# Altium PCB Board.PcbDoc (part 1 of 4) (continued)
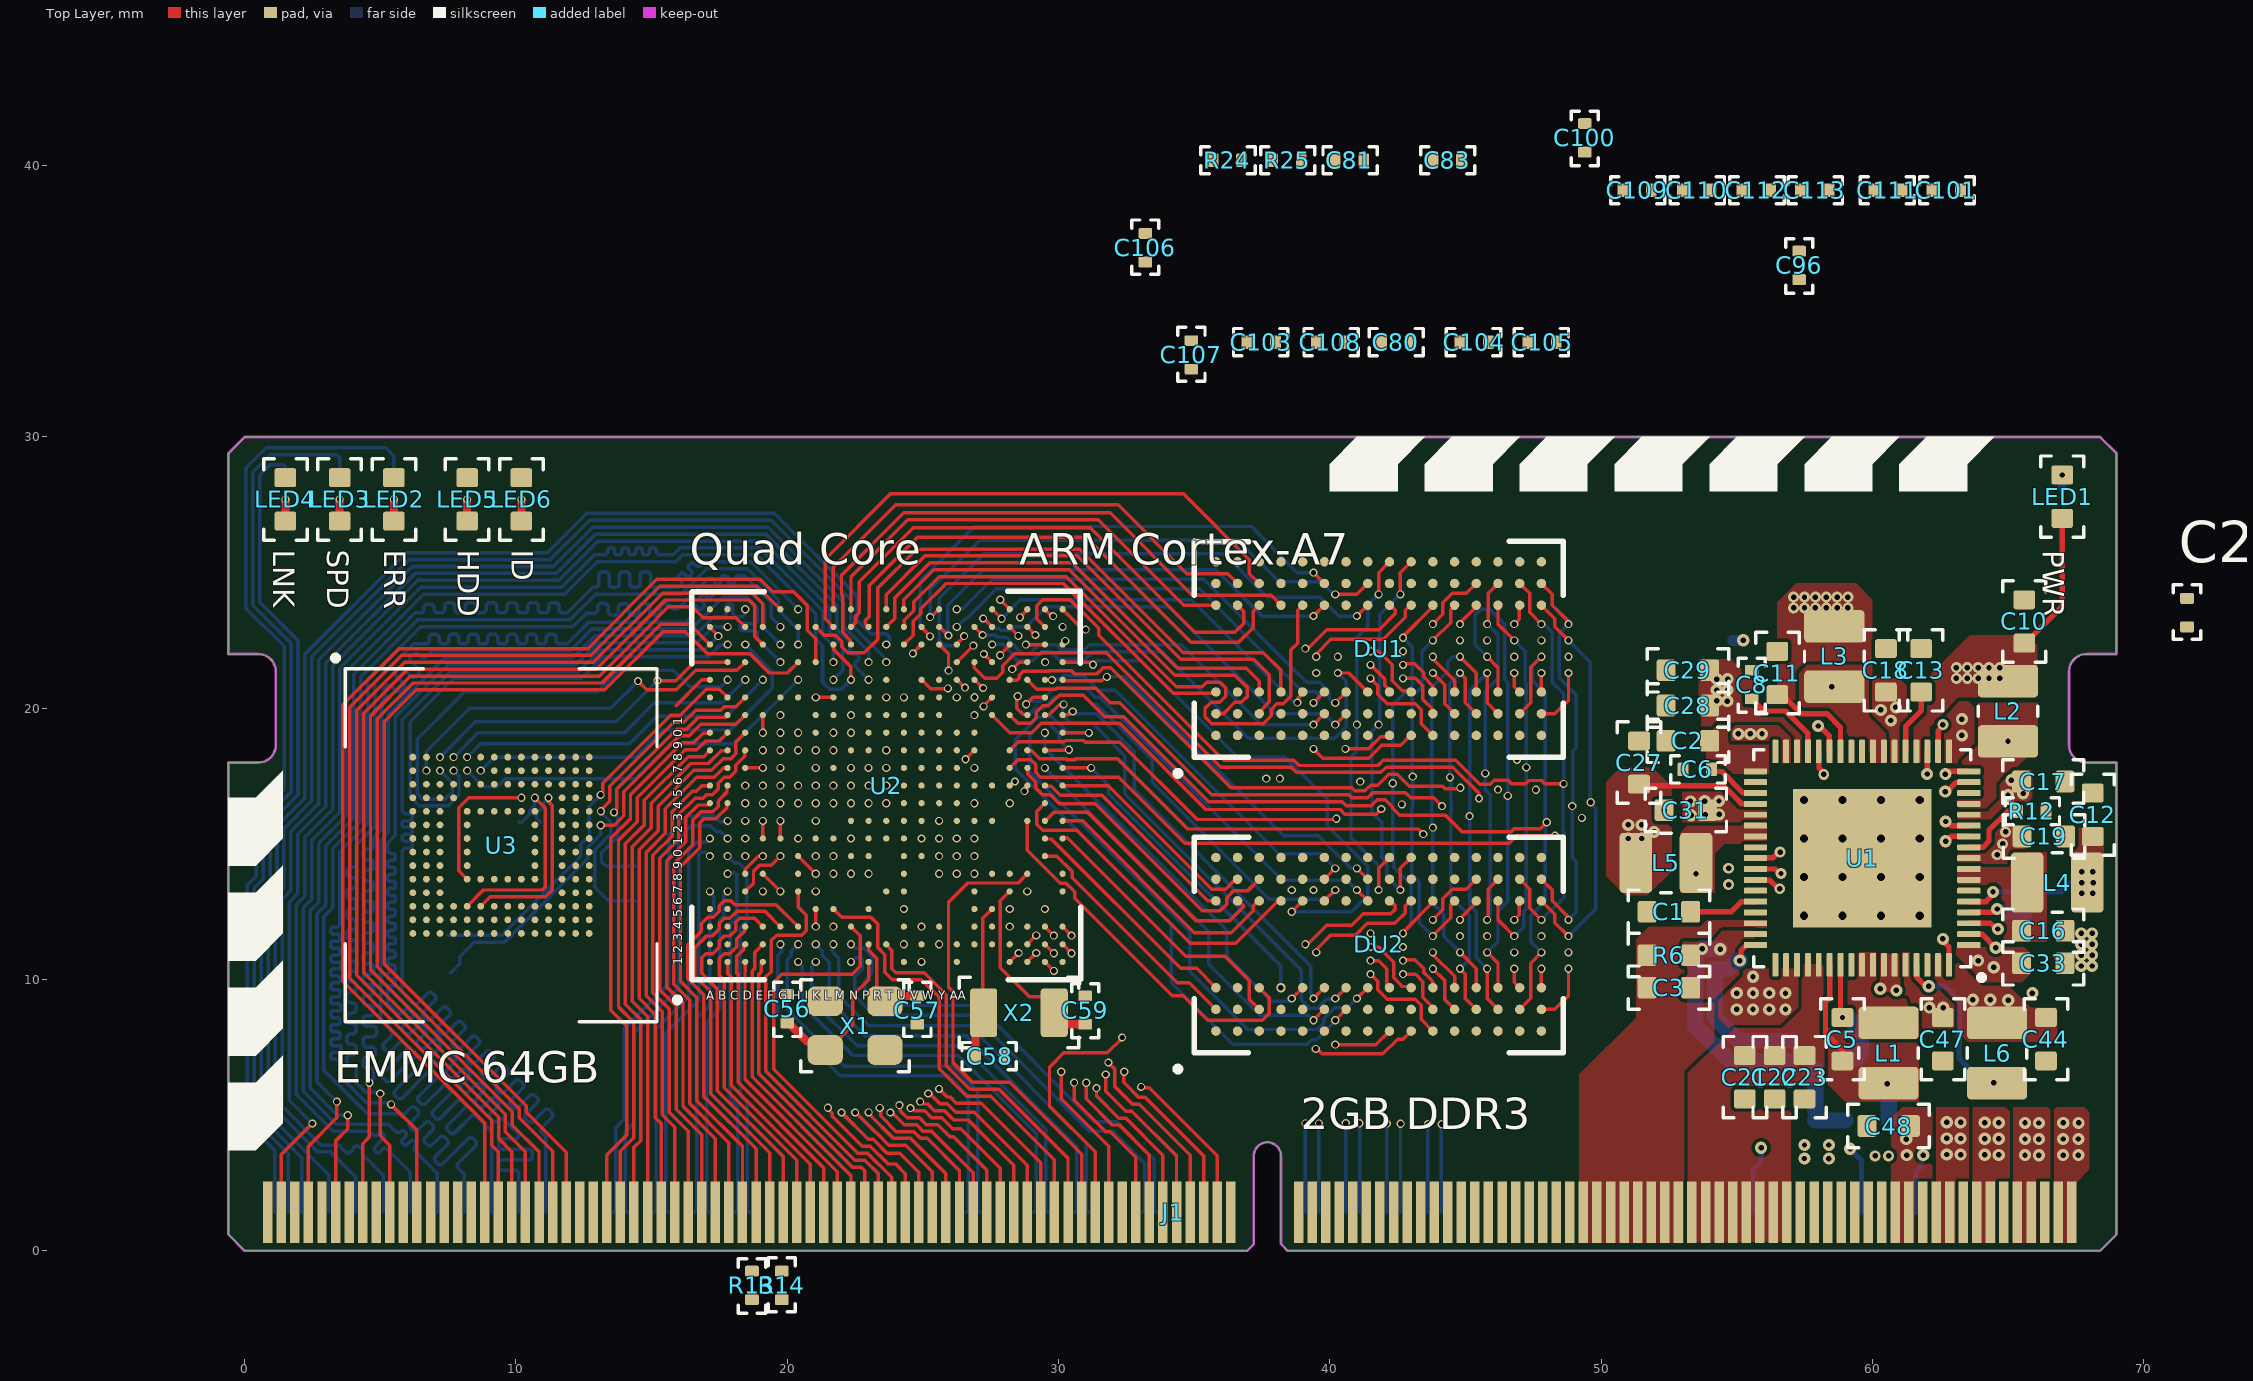
[diagram p0: Top Layer view]
## Classes and differential pairs
net class GPIO: NetJ1_33 NetJ1_35 NetJ1_37 NetJ1_39 NetJ1_41 NetJ1_43 NetJ1_45 NetJ1_51 NetJ1_53 NetJ1_55 NetJ1_57 NetJ1_59 NetJ1_61 NetJ1_63 NetJ1_65 NetJ1_67 NetJ1_69 NetJ1_71 NetJ1_73 NetJ1_75 NetJ1_77 NetJ1_78 NetJ1_79 NetJ1_80 NetJ1_81 NetJ1_83 NetJ1_84 NetJ1_85 NetJ1_86 NetJ1_87 NetJ1_89 NetJ1_90 NetJ1_91 NetJ1_92 NetJ1_93 NetJ1_94 NetJ1_95 NetJ1_96 NetJ1_97 NetJ1_99 NetJ1_100 NetJ1_101 NetJ1_103 NetJ1_105 NetJ1_107 NetJ1_109 NetJ1_111 NetJ1_113 NetJ1_115 NetJ1_117 NetJ1_119 NetJ1_121 NetJ1_123 NetJ1_125 NetJ1_129 NetJ1_131 NetJ1_133 NetJ1_135 NetJ1_137 NetJ1_139 NetJ1_141 NetJ1_146 NetJ1_148 NetJ1_152 NetJ1_154 NetJ1_158 NetJ1_160 NetJ1_164 NetJ1_166
net class DDR3: SA0 SA1 SA2 SA3 SA4 SA5 SA6 SA7 SA8 SA9 SA10 SA11 SA12 SA13 SA14 SA15 SBA0 SBA1 SBA2 SCAS SCK_N SCK_P SCKE0 SCKE1 SCS0 SCS1 SDQ0 SDQ1 SDQ2 SDQ3 SDQ4 SDQ5 SDQ6 SDQ7 SDQ8 SDQ9 SDQ10 SDQ11 SDQ12 SDQ13 SDQ14 SDQ15 SDQ16 SDQ17 SDQ18 SDQ19 SDQ20 SDQ21 SDQ22 SDQ23 SDQ24 SDQ25 SDQ26 SDQ27 SDQ28 SDQ29 SDQ30 SDQ31 SDQM0 SDQM1 SDQM2 SDQM3 SDQS0_N SDQS0_P SDQS1_N SDQS1_P SDQS2_N SDQS2_P SDQS3_N SDQS3_P SODT0 SODT1 SRAS SRST SWE
net class DDR3_DQS3: SDQ24 SDQ25 SDQ26 SDQ27 SDQ28 SDQ29 SDQ30 SDQ31 SDQS3_N SDQS3_P
net class DDR3_DQS2: SDQ16 SDQ17 SDQ18 SDQ19 SDQ20 SDQ21 SDQ22 SDQ23 SDQS2_N SDQS2_P
net class DDR3_DQS1: SDQ8 SDQ9 SDQ10 SDQ11 SDQ12 SDQ13 SDQ14 SDQ15 SDQS1_N SDQS1_P
net class DDR3_DQS0: SDQ0 SDQ1 SDQ2 SDQ3 SDQ4 SDQ5 SDQ6 SDQ7 SDQS0_N SDQS0_P
net class DDR3_DIFF_CK: SCK_N SCK_P
net class DDR3_DIFF_DQS3: SDQS3_N SDQS3_P
net class DDR3_DIFF_DQS2: SDQS2_N SDQS2_P
net class DDR3_DIFF_DQS1: SDQS1_N SDQS1_P
net class DDR3_DIFF_DQS0: SDQS0_N SDQS0_P
net class EMMC_CTL: EMMC_CMD EMMC_RST NetR18_2
net class FLASH: FLASH_CLK FLASH_CS FLASH_MISO FLASH_MOSI
net class EMMC_DATA: EMMC_D0 EMMC_D1 EMMC_D2 EMMC_D3 EMMC_D4 EMMC_D5 EMMC_D6 EMMC_D7
net class RGMII: RGMII_CLKIN RGMII_MDC RGMII_MDIO RGMII_RX0 RGMII_RX1 RGMII_RX2 RGMII_RX3 RGMII_RXCK RGMII_RXCTL RGMII_TXCK RGMII_TXCTL RGMII_TXD0 RGMII_TXD1 RGMII_TXD2 RGMII_TXD3
differential pair class USB3: USB3
differential pair class USB2: USB2
differential pair class USB1: USB1
differential pair class USB0: USB0
differential pair class HDMI_TXC: TXC
differential pair class HDMI_TX2: TX2
differential pair class HDMI_TX1: TX1
differential pair class HDMI_TX0: TX0
net class HDMI: NetJ1_110 NetJ1_126 NetJ1_136 NetJ1_140 TX0_N TX0_P TX1_N TX1_P TX2_N TX2_P TXC_N TXC_P
differential pair class DDR3_CK: SCK
net class DDR3_XXX: SCAS SRAS SRST SWE
net class DDR3_ODT: SODT0 SODT1
net class DDR3_CS: SCS0 SCS1
net class DDR3_CKE: SCKE0 SCKE1
differential pair class DDR3_DIFF_DQS3: SDQS3
differential pair class DDR3_DIFF_DQS2: SDQS2
differential pair class DDR3_DIFF_DQS1: SDQS1
differential pair class DDR3_DIFF_DQS0: SDQS0
net class DDR3_DQM: SDQM0 SDQM1 SDQM2 SDQM3
net class DDR3_BA: SBA0 SBA1 SBA2
net class DDR3_DATA: SDQ0 SDQ1 SDQ2 SDQ3 SDQ4 SDQ5 SDQ6 SDQ7 SDQ8 SDQ9 SDQ10 SDQ11 SDQ12 SDQ13 SDQ14 SDQ15 SDQ16 SDQ17 SDQ18 SDQ19 SDQ20 SDQ21 SDQ22 SDQ23 SDQ24 SDQ25 SDQ26 SDQ27 SDQ28 SDQ29 SDQ30 SDQ31
net class DDR3_ADDR: SA0 SA1 SA2 SA3 SA4 SA5 SA6 SA7 SA8 SA9 SA10 SA11 SA12 SA13 SA14 SA15
component class 06_H3ETHERNET: C114 C115 C116 LED5 LED6 R27 R28
component class 07_H3HDMI: C117 C118
component class 04_H3STORAGE: C71 C72 C73 C74 C75 C76 C77 C78 C79 R16 R17 R18 U3 U4
component class 00_PINOUT: J1
component class 02_H3CORE: C52 C53 C54 C55 C56 C57 C58 C59 C60 C61 C62 C63 C64 C65 C66 C67 C68 C69 C70 R13 R14 R15 X1 X2
component class 01_POWER: C1 C2 C3 C4 C5 C6 C7 C8 C9 C10 C11 C12 C13 C14 C15 C16 C17 C18 C19 C20 C21 C22 C23 C24 C25 C26 C27 C28 C29 C30 C31 C32 C33 C34 C35 C36 C37 C38 C39 C40 C41 C42 C43 C44 C45 C46 C47 C48 C49 C50 C51 L1 L2 L3 L4 L5 L6 LED1 LED2 LED3 LED4 Q1 R1 R2 R3 R4 R5 R6 R7 R8 R9 R10 R11 R12 U1
component class 03_H3DRAM: C80 C81 C82 C83 C84 C85 C86 C87 C88 C89 C90 C91 C92 C93 C94 C95 C96 C97 C98 C99 C100 C101 C102 C103 C104 C105 C106 C107 C108 C109 C110 C111 C112 C113 DC? DR? DU1 DU2 R19 R20 R21 R22 R23 R24 R25 R26 U2
differential pair USB3: +USB3_P -USB3_N
differential pair USB2: +USB2_P -USB2_N
differential pair USB1: +USB1_P -USB1_N
differential pair USB0: +USB0_P -USB0_N
differential pair TXC: +TXC_P -TXC_N
differential pair TX2: +TX2_P -TX2_N
differential pair TX1: +TX1_P -TX1_N
differential pair TX0: +TX0_P -TX0_N
differential pair SDQS3: +SDQS3_P -SDQS3_N
differential pair SDQS2: +SDQS2_P -SDQS2_N
differential pair SDQS1: +SDQS1_P -SDQS1_N
differential pair SDQS0: +SDQS0_P -SDQS0_N
differential pair SCK: +SCK_P -SCK_N

## Components (designator, comment, footprint, x,y, rotation, side; value= is the part's Value field where it differs from the comment)
C1 "1uF" C0603 53.3,12.5 r180 top
C2 "1uF" C0603 54,18.8 r180 top
C3 "1uF" C0603 53.3,9.7 r180 top
C4 "10uF" C0603 56.3,4.8 r0 bottom
C5 "1uF" C0603 58.9,7 r90 top
C6 "4.7uF" C0402 54.074,17.744 r180 top
C7 "10uF" C0603 62.218,6.164 r180 bottom
C8 "4.7uF" C0402 55.55,20.35 r90 top
C9 "10uF" C0603 60.6,7.7 r90 bottom
C10 "10uF" C0603 65.6,22.4 r90 top
C11 "10uF" C0603 56.5,20.5 r90 top
C12 "10uF" C0603 68.125,15.275 r90 top
C13 "10uF" C0603 61.8,22.2 r270 top
C14 "1nF" C0603 65,18.78 r90 bottom
C15 "1nF" C0603 58.6,21 r90 bottom
C16 "1nF" C0603 65.5,11.8 r0 top
C17 "10uF" C0603 65.5,17.3 r0 top
C18 "10uF" C0603 60.5,20.6 r90 top
C19 "10uF" C0603 65.525,15.275 r0 top
C20 "4.7uF" C0603 65.7,12.4 r0 bottom
C21 "22uF" C0603 55.3,5.6 r90 top
C22 "22uF" C0603 56.4,5.6 r90 top
C23 "10uF" C0603 57.5,5.6 r90 top
C24 "10uF" C0603 11.6,37 r270 bottom
C25 "1uF" C0402 15,41.55 r270 bottom
C26 "0.1uF" C0402 71.6,24.05 r270 top
C27 "10uF" C0603 51.4,17.2 r90 top
C28 "10uF" C0603 54,20.1 r180 top
C29 "0.1uF" C0603 52.4,21.4 r0 top
C30 "1nF" C0603 53.3,13.8 r180 bottom
C31 "10uF" C0603 53.923,16.244 r180 top
C32 "10uF" C0603 56.5,19.7 r90 bottom
C33 "10uF" C0603 65.5,10.6 r0 top
C34 "10uF" C0603 25.187,36.502 r180 bottom
C35 "1uF" C0402 21.9,34.7 r0 bottom
C36 "1uF" C0402 21.2,37.95 r270 bottom
C37 "0.1uF" C0402 21,34.65 r90 bottom
C38 "0.1uF" C0402 22.515,37.336 r270 bottom
C39 "10uF" C0603 18.6,35 r90 bottom
C40 "1uF" C0402 18.4,38 r180 bottom
C41 "1uF" C0402 20.7,38.7 r180 bottom
C42 "0.1uF" C0402 18.4,41.05 r270 bottom
C43 "0.1uF" C0402 16.406,35.55 r90 bottom
C44 "10uF" C0603 66.4,8.6 r270 top
C45 "1nF" C0603 64.2,6.4 r90 bottom
C46 "10uF" C0603 66.068,15.934 r270 bottom
C47 "10uF" C0603 62.6,8.6 r270 top
C48 "4.7uF" C0603 59.8,4.6 r0 top
C49 "4.7uF" C0603 67.6,9.5 r180 bottom
C50 "4.7uF" C0603 65.9,6.6 r270 bottom
C51 "4.7uF" C0603 67.3,6.6 r270 bottom
C52 "4.7uF" C0402 16.39,38.776 r270 bottom
C53 "1uF" C0402 14.681,34.271 r0 bottom
C54 "0.1uF" C0402 17.037,32.534 r90 bottom
C55 "4.7uF" C0402 20.1,32.45 r90 bottom
C56 "5pF" C0402 20,8.4 r90 top
C57 "5pF" C0402 24.8,9.4 r270 top
C58 "15pF" C0402 26.941,7.178 r0 top
C59 "15pF" C0402 30.98,8.35 r90 top
C60 "0.1uF" C0402 17.456,36.086 r270 bottom
C61 "1uF" C0402 14.15,36.2 r0 bottom
C62 "0.1uF" C0402 25.767,33.318 r180 bottom
C63 "1uF" C0402 24.6,31.6 r90 bottom
C64 "0.1uF" C0402 23.7,31.6 r90 bottom
C65 "10uF" C0402 23.4,33.8 r180 bottom
C66 "0.1uF" C0402 24.2,34.5 r90 bottom
C67 "1uF" C0402 26.036,34.001 r0 bottom
C68 "4.7uF" C0402 25.319,34.81 r0 bottom
C69 "1uF" C0402 17.6,41.05 r270 bottom
C70 "0.1uF" C0402 7.9,35.35 r270 bottom
C71 "1uF" C0402 12.3,39.5 r180 bottom
C72 "1uF" C0402 -2,16.9 r180 bottom
C73 "1uF" C0402 -2,15.7 r180 bottom
C74 "0.1uF" C0402 -1.85,18.3 r180 bottom
C75 "0.1uF" C0402 -2,14.4 r180 bottom
C76 "0.1uF" C0402 -4.5,13.75 r90 bottom
C77 "0.1uF" C0402 -1.85,12.9 r180 bottom
C78 "1uF" C0402 -4.15,16.3 r180 bottom
C79 "0.1uF" C0402 -4.4,17.45 r90 bottom
C80 "0.1uF" C0402 42.95,33.5 r180 top
C81 "0.1uF" C0402 41.25,40.2 r180 top
C82 "0.1uF" C0402 23.442,42.542 r225 bottom
C83 "0.1uF" C0402 44.85,40.2 r180 top
C84 "10uF" C0402 28.8,32.35 r270 bottom
C85 "1uF" C0402 20.2,43.05 r270 bottom
C86 "1uF" C0402 27.9,31.3 r90 bottom
C87 "0.1uF" C0402 20.6,39.55 r90 bottom
C88 "0.1uF" C0402 29.7,32.35 r270 bottom
C89 "0.1uF" C0402 19.7,39.55 r90 bottom
C90 "0.1uF" C0402 18.4,43.05 r270 bottom
C91 "0.1uF" C0402 19.3,43.05 r270 bottom
C92 "0.1uF" C0402 21.5,39.55 r90 bottom
C93 "0.1uF" C0402 21.6,43.05 r270 bottom
C94 "0.1uF" C0402 23.85,40 r180 bottom
C95 "0.1uF" C0402 23.85,40.8 r180 bottom
C96 "10uF" C0402 57.3,35.8 r90 top
C97 "1uF" C0402 37.1,4.75 r90 bottom
C98 "1uF" C0402 38.3,5.8 r270 bottom
C99 "0.1uF" C0402 58,32.8 r0 bottom
C100 "0.1uF" C0402 49.4,40.5 r90 top
C101 "0.1uF" C0402 63.25,39.1 r180 top
C102 "0.1uF" C0402 47.6,31.85 r90 bottom
C103 "10uF" C0402 36.95,33.5 r0 top
C104 "1uF" C0402 44.8,33.5 r0 top
C105 "1uF" C0402 47.3,33.5 r0 top
C106 "0.1uF" C0402 33.2,37.5 r270 top
C107 "0.1uF" C0402 34.9,33.55 r270 top
C108 "0.1uF" C0402 40.55,33.5 r180 top
C109 "0.1uF" C0402 51.85,39.1 r180 top
C110 "0.1uF" C0402 54.05,39.1 r180 top
C111 "0.1uF" C0402 60.05,39.1 r0 top
C112 "0.1uF" C0402 56.25,39.1 r180 top
C113 "0.1uF" C0402 58.4,39.1 r180 top
C114 "0.1uF" C0402 14.15,39.7 r0 bottom
C115 "0.1uF" C0402 13.45,35.2 r0 bottom
C116 "0.1uF" C0402 14.15,37.1 r0 bottom
C117 "0.1uF" C0402 13.2,41.9 r270 bottom
C118 "1uF" C0402 14.15,38.9 r0 bottom
DU1 "DDR3_FBGA96" DDR3_FBGA96 35.8,19 r90 top locked
DU2 "DDR3_FBGA96" DDR3_FBGA96 35.8,8.1 r90 top locked
J1 "DDR4_SODIMM" DDR4_SODIMM 0.376,0 r0 top locked
L1 "1.5uH" L2520 60.6,6.18 r90 top
L2 "2.2uH" L2520 65,18.78 r90 top
L3 "2.2uH" L2520 58.6,20.8 r90 top
L4 "2.2uH" L2520 65.705,13.575 r0 top
L5 "2.2uH" L2520 53.5,14.3 r180 top
L6 "2.2uH" L2520 64.6,6.18 r90 top
LED1 "LED_RED" LED0603_RED 67,27 r90 top
LED2 "LED_YELLOW" LED0603_YELLOW 5.5,28.5 r270 top
LED3 "LED_GREEN" LED0603_GREEN 3.5,28.5 r270 top
LED4 "LED_RED" LED0603_RED 1.5,28.5 r270 top
LED5 "LED_YELLOW" LED0603_YELLOW 8.2,28.5 r270 top
LED6 "LED_GREEN" LED0603_GREEN 10.2,28.5 r270 top
Q1 "WPM1481" WPM1481 58.8,6.45 r90 bottom
R1 "330R" R0402 67,28.1 r270 bottom
R2 "10K 1%" R0402 53.8,22.5 r0 bottom
R3 "330R" R0402 5.5,27.85 r90 bottom
R4 "330R" R0402 3.5,27.85 r90 bottom
R5 "2.2K" R0402 17.9,32.55 r90 bottom
R6 "0R" R0603 53.3,10.9 r180 top
R7 "2.2K" R0402 20.9,31.4 r0 bottom
R8 "330R" R0402 1.5,27.85 r90 bottom
R9 "51K" R0402 21.45,32.5 r0 bottom
R10 "0R" R0603 60.6,4.8 r180 bottom
R11 "2R 1%" R0402 50.6,16.2 r90 bottom
R12 "0R" R0402 66.4,16.2 r180 top
R13 "47K" R0402 18.7,-1.8 r90 top
R14 "100K 1%" R0402 19.8,-0.75 r270 top
R15 "220K 1%" R0402 25.315,35.575 r0 bottom
R16 "10K 1%" R0402 -2.75,19.7 r0 bottom
R17 "10K 1%" R0402 10.1,15.8 r180 bottom
R18 "33R" R0402 11.95,15.8 r180 bottom
R19 "240R 1%" R0402 55.35,29.1 r180 bottom
R20 "240R 1%" R0402 55.9,32.8 r180 bottom
R21 "240R 1%" R0402 52.4,29.1 r0 bottom
R22 "240R 1%" R0402 52.95,32.8 r0 bottom
R23 "240R 1%" R0402 25.65,37.9 r180 bottom
R24 "2K 1%" R0402 36.75,40.2 r180 top
R25 "2K 1%" R0402 38.95,40.2 r180 top
R26 "100R" R0402 38.432,17.426 r180 bottom
R27 "330R" R0402 8.2,27.85 r90 bottom
R28 "330R" R0402 10.2,27.85 r90 bottom
U1 "AXP221S" AXP221S 59.625,14.475 r180 top
U2 "H3_FBGA347" H3_FBGA327 17.15,10.65 r90 top locked
U3 "EMMC_5_0_BGA153" EMMC_BGA153 9.45,14.95 r0 top locked
U4 "W25Q64JVSSIQ" W25Q64JVSSIQ 14.395,14.165 r180 bottom locked
X1 "24MHz" SMD3225 23.6,9.2 r180 top
X2 "32.768 KHz" FC_135 29.841,8.778 r180 top

## Footprints (in the part's own frame and the unit in brackets; to place one, negate y for a bottom-side part, rotate by r counter-clockwise, add the part's x,y. Pads: shape width x height; smd on the part's side, far side on the other; paste and mask are expansions set on the pad)
AXP221S [mm]
  rrect25% 0.86x0.22 smd: 1(-3.935,3.2) 2(-3.935,2.8) 3(-3.935,2.4) 4(-3.935,2) 5(-3.935,1.6) 6(-3.935,1.2) 7(-3.935,0.8) 8(-3.935,0.4) 9(-3.935,0) 10(-3.935,-0.4) 11(-3.935,-0.8) 12(-3.935,-1.2) 13(-3.935,-1.6) 14(-3.935,-2) 15(-3.935,-2.4) 16(-3.935,-2.8) 17(-3.935,-3.2) 35(3.935,-3.2) 36(3.935,-2.8) 37(3.935,-2.4) 38(3.935,-2) 39(3.935,-1.6) 40(3.935,-1.2) 41(3.935,-0.8) 42(3.935,-0.4) 43(3.935,0) 44(3.935,0.4) 45(3.935,0.8) 46(3.935,1.2) 47(3.935,1.6) 48(3.935,2) 49(3.935,2.4) 50(3.935,2.8) 51(3.935,3.2)
  rrect25% 0.22x0.86 smd: 18(-3.2,-3.935) 19(-2.8,-3.935) 20(-2.4,-3.935) 21(-2,-3.935) 22(-1.6,-3.935) 23(-1.2,-3.935) 24(-0.8,-3.935) 25(-0.4,-3.935) 26(0,-3.935) 27(0.4,-3.935) 28(0.8,-3.935) 29(1.2,-3.935) 30(1.6,-3.935) 31(2,-3.935) 32(2.4,-3.935) 33(2.8,-3.935) 34(3.2,-3.935) 52(3.2,3.935) 53(2.8,3.935) 54(2.4,3.935) 55(2,3.935) 56(1.6,3.935) 57(1.2,3.935) 58(0.8,3.935) 59(0.4,3.935) 60(0,3.935) 61(-0.4,3.935) 62(-0.8,3.935) 63(-1.2,3.935) 64(-1.6,3.935) 65(-2,3.935) 66(-2.4,3.935) 67(-2.8,3.935) 68(-3.2,3.935)
  rect 5.1x5.1 smd paste-4: 69(0,0)
  silkscreen extent -4.5,-4 4,4.5, body extent -4,-4 4,4, height 0.88
C0402 [mm]
  rrect25% 0.4x0.5 smd: 1(0,0) 2(1.05,0)
  silkscreen extent -0.5,-0.5 1.5,0.5, body extent 0.03,-0.26 1.03,0.26, height 0.53
C0603 [mm]
  rrect25% 0.7x0.8 smd: 1(0,0) 2(1.6,0)
  silkscreen extent -0.7,-0.8 2.3,0.8, body extent 0,-0.41 1.6,0.41, height 0.81
DDR3_FBGA96 [mm]
  round 0.35 smd mask+0.05: A1(0,0) A2(0.8,0) A3(1.6,0) A7(4.8,0) A8(5.6,0) A9(6.4,0) B1(0,-0.8) B2(0.8,-0.8) B3(1.6,-0.8) B7(4.8,-0.8) B8(5.6,-0.8) B9(6.4,-0.8) C1(0,-1.6) C2(0.8,-1.6) C3(1.6,-1.6) C7(4.8,-1.6) C8(5.6,-1.6) C9(6.4,-1.6) D1(0,-2.4) D2(0.8,-2.4) D3(1.6,-2.4) D7(4.8,-2.4) D8(5.6,-2.4) D9(6.4,-2.4) E1(0,-3.2) E2(0.8,-3.2) E3(1.6,-3.2) E7(4.8,-3.2) E8(5.6,-3.2) E9(6.4,-3.2) F1(0,-4) F2(0.8,-4) F3(1.6,-4) F7(4.8,-4) F8(5.6,-4) F9(6.4,-4) G1(0,-4.8) G2(0.8,-4.8) G3(1.6,-4.8) G7(4.8,-4.8) G8(5.6,-4.8) G9(6.4,-4.8) H1(0,-5.6) H2(0.8,-5.6) H3(1.6,-5.6) H7(4.8,-5.6) H8(5.6,-5.6) H9(6.4,-5.6) J1(0,-6.4) J2(0.8,-6.4) J3(1.6,-6.4) J7(4.8,-6.4) J8(5.6,-6.4) J9(6.4,-6.4) K1(0,-7.2) K2(0.8,-7.2) K3(1.6,-7.2) K7(4.8,-7.2) K8(5.6,-7.2) K9(6.4,-7.2) L1(0,-8) L2(0.8,-8) L3(1.6,-8) L7(4.8,-8) L8(5.6,-8) L9(6.4,-8) M1(0,-8.8) M2(0.8,-8.8) M3(1.6,-8.8) M7(4.8,-8.8) M8(5.6,-8.8) M9(6.4,-8.8) N1(0,-9.6) N2(0.8,-9.6) N3(1.6,-9.6) N7(4.8,-9.6) N8(5.6,-9.6) N9(6.4,-9.6) P1(0,-10.4) P2(0.8,-10.4) P3(1.6,-10.4) P7(4.8,-10.4) P8(5.6,-10.4) P9(6.4,-10.4) R1(0,-11.2) R2(0.8,-11.2) R3(1.6,-11.2) R7(4.8,-11.2) R8(5.6,-11.2) R9(6.4,-11.2) T1(0,-12) T2(0.8,-12) T3(1.6,-12) T7(4.8,-12) T8(5.6,-12) T9(6.4,-12)
  silkscreen extent -1.5,-12.8 7.15,1.5, body extent -1.3,-13 7.7,1, height 0.86
DDR4_SODIMM [mm]
  rect 0.35x2.25 smd paste-0.75 mask+0.3: 1(0.474,1.422) 3(0.974,1.422) 5(1.474,1.422) 7(1.974,1.422) 9(2.474,1.422) 11(2.974,1.422) 13(3.474,1.422) 15(3.974,1.422) 17(4.474,1.422) 19(4.974,1.422) 21(5.474,1.422) 23(5.974,1.422) 25(6.474,1.422) 27(6.974,1.422) 29(7.474,1.422) 31(7.974,1.422) 33(8.474,1.422) 35(8.974,1.422) 37(9.474,1.422) 39(9.974,1.422) 41(10.474,1.422) 43(10.974,1.422) 45(11.474,1.422) 47(11.974,1.422) 49(12.474,1.422) 51(12.974,1.422) 53(13.474,1.422) 55(13.974,1.422) 57(14.474,1.422) 59(14.974,1.422) 61(15.474,1.422) 63(15.974,1.422) 65(16.474,1.422) 67(16.974,1.422) 69(17.474,1.422) 71(17.974,1.422) 73(18.474,1.422) 75(18.974,1.422) 77(19.474,1.422) 79(19.974,1.422) 81(20.474,1.422) 83(20.974,1.422) 85(21.474,1.422) 87(21.974,1.422) 89(22.474,1.422) 91(22.974,1.422) 93(23.474,1.422) 95(23.974,1.422) 97(24.474,1.422) 99(24.974,1.422) 101(25.474,1.422) 103(25.974,1.422) 105(26.474,1.422) 107(26.974,1.422) 109(27.474,1.422) 111(27.974,1.422) 113(28.474,1.422) 115(28.974,1.422) 117(29.474,1.422) 119(29.974,1.422) 121(30.474,1.422) 123(30.974,1.422) 125(31.474,1.422) 127(31.974,1.422) 129(32.474,1.422) 131(32.974,1.422) 133(33.474,1.422) 135(33.974,1.422) 137(34.474,1.422) 139(34.974,1.422) 141(35.474,1.422) 143(35.974,1.422) 145(38.474,1.422) 147(38.974,1.422) 149(39.474,1.422) 151(39.974,1.422) 153(40.474,1.422) 155(40.974,1.422) 157(41.474,1.422) 159(41.974,1.422) 161(42.474,1.422) 163(42.974,1.422) 165(43.474,1.422) 167(43.974,1.422) 169(44.474,1.422) 171(44.974,1.422) 173(45.474,1.422) 175(45.974,1.422) 177(46.474,1.422) 179(46.974,1.422) 181(47.474,1.422) 183(47.974,1.422) 185(48.474,1.422) 187(48.974,1.422) 189(49.474,1.422) 191(49.974,1.422) 193(50.474,1.422) 195(50.974,1.422) 197(51.474,1.422) 199(51.974,1.422) 201(52.474,1.422) 203(52.974,1.422) 205(53.474,1.422) 207(53.974,1.422) 209(54.474,1.422) 211(54.974,1.422) 213(55.474,1.422) 215(55.974,1.422) 217(56.474,1.422) 219(56.974,1.422) 221(57.474,1.422) 223(57.974,1.422) 225(58.474,1.422) 227(58.974,1.422) 229(59.474,1.422) 231(59.974,1.422) 233(60.474,1.422) 235(60.974,1.422) 237(61.474,1.422) 239(61.974,1.422) 241(62.474,1.422) 243(62.974,1.422) 245(63.474,1.422) 247(63.974,1.422) 249(64.474,1.422) 251(64.974,1.422) 253(65.474,1.422) 255(65.974,1.422) 257(66.474,1.422) 259(66.974,1.422)
  rect 0.35x2.25 smd far side paste-0.75 mask+0.3: 2(0.724,1.422) 4(1.224,1.422) 6(1.724,1.422) 8(2.224,1.422) 10(2.724,1.422) 12(3.224,1.422) 14(3.724,1.422) 16(4.224,1.422) 18(4.724,1.422) 20(5.224,1.422) 22(5.724,1.422) 24(6.224,1.422) 26(6.724,1.422) 28(7.224,1.422) 30(7.724,1.422) 32(8.224,1.422) 34(8.724,1.422) 36(9.224,1.422) 38(9.724,1.422) 40(10.224,1.422) 42(10.724,1.422) 44(11.224,1.422) 46(11.724,1.422) 48(12.224,1.422) 50(12.724,1.422) 52(13.224,1.422) 54(13.724,1.422) 56(14.224,1.422) 58(14.724,1.422) 60(15.224,1.422) 62(15.724,1.422) 64(16.224,1.422) 66(16.724,1.422) 68(17.224,1.422) 70(17.724,1.422) 72(18.224,1.422) 74(18.724,1.422) 76(19.224,1.422) 78(19.724,1.422) 80(20.224,1.422) 82(20.724,1.422) 84(21.224,1.422) 86(21.724,1.422) 88(22.224,1.422) 90(22.724,1.422) 92(23.224,1.422) 94(23.724,1.422) 96(24.224,1.422) 98(24.724,1.422) 100(25.224,1.422) 102(25.724,1.422) 104(26.224,1.422) 106(26.724,1.422) 108(27.224,1.422) 110(27.724,1.422) 112(28.224,1.422) 114(28.724,1.422) 116(29.224,1.422) 118(29.724,1.422) 120(30.224,1.422) 122(30.724,1.422) 124(31.224,1.422) 126(31.724,1.422) 128(32.224,1.422) 130(32.724,1.422) 132(33.224,1.422) 134(33.724,1.422) 136(34.224,1.422) 138(34.724,1.422) 140(35.224,1.422) 142(35.724,1.422) 144(36.224,1.422) 146(38.724,1.422) 148(39.224,1.422) 150(39.724,1.422) 152(40.224,1.422) 154(40.724,1.422) 156(41.224,1.422) 158(41.724,1.422) 160(42.224,1.422) 162(42.724,1.422) 164(43.224,1.422) 166(43.724,1.422) 168(44.224,1.422) 170(44.724,1.422) 172(45.224,1.422) 174(45.724,1.422) 176(46.224,1.422) 178(46.724,1.422) 180(47.224,1.422) 182(47.724,1.422) 184(48.224,1.422) 186(48.724,1.422) 188(49.224,1.422) 190(49.724,1.422) 192(50.224,1.422) 194(50.724,1.422) 196(51.224,1.422) 198(51.724,1.422) 200(52.224,1.422) 202(52.724,1.422) 204(53.224,1.422) 206(53.724,1.422) 208(54.224,1.422) 210(54.724,1.422) 212(55.224,1.422) 214(55.724,1.422) 216(56.224,1.422) 218(56.724,1.422) 220(57.224,1.422) 222(57.724,1.422) 224(58.224,1.422) 226(58.724,1.422) 228(59.224,1.422) 230(59.724,1.422) 232(60.224,1.422) 234(60.724,1.422) 236(61.224,1.422) 238(61.724,1.422) 240(62.224,1.422) 242(62.724,1.422) 244(63.224,1.422) 246(63.724,1.422) 248(64.224,1.422) 250(64.724,1.422) 252(65.224,1.422) 254(65.724,1.422) 256(66.224,1.422) 258(66.724,1.422) 260(67.224,1.422)
EMMC_BGA153 [mm]
  round 0.25 smd mask+0.025: A1(-3.25,3.25) A2(-2.75,3.25) A3(-2.25,3.25) A4(-1.75,3.25) A5(-1.25,3.25) A6(-0.75,3.25) A7(-0.25,3.25) A8(0.25,3.25) A9(0.75,3.25) A10(1.25,3.25) A11(1.75,3.25) A12(2.25,3.25) A13(2.75,3.25) A14(3.25,3.25) B1(-3.25,2.75) B2(-2.75,2.75) B3(-2.25,2.75) B4(-1.75,2.75) B5(-1.25,2.75) B6(-0.75,2.75) B7(-0.25,2.75) B8(0.25,2.75) B9(0.75,2.75) B10(1.25,2.75) B11(1.75,2.75) B12(2.25,2.75) B13(2.75,2.75) B14(3.25,2.75) C1(-3.25,2.25) C2(-2.75,2.25) C3(-2.25,2.25) C4(-1.75,2.25) C5(-1.25,2.25) C6(-0.75,2.25) C7(-0.25,2.25) C8(0.25,2.25) C9(0.75,2.25) C10(1.25,2.25) C11(1.75,2.25) C12(2.25,2.25) C13(2.75,2.25) C14(3.25,2.25) D1(-3.25,1.75) D2(-2.75,1.75) D3(-2.25,1.75) D4(-1.75,1.75) D12(2.25,1.75) D13(2.75,1.75) D14(3.25,1.75) E1(-3.25,1.25) E2(-2.75,1.25) E3(-2.25,1.25) E5(-1.25,1.25) E6(-0.75,1.25) E7(-0.25,1.25) E8(0.25,1.25) E9(0.75,1.25) E10(1.25,1.25) E12(2.25,1.25) E13(2.75,1.25) E14(3.25,1.25) F1(-3.25,0.75) F2(-2.75,0.75) F3(-2.25,0.75) F5(-1.25,0.75) F10(1.25,0.75) F12(2.25,0.75) F13(2.75,0.75) F14(3.25,0.75) G1(-3.25,0.25) G2(-2.75,0.25) G3(-2.25,0.25) G5(-1.25,0.25) G10(1.25,0.25) G12(2.25,0.25) G13(2.75,0.25) G14(3.25,0.25) H1(-3.25,-0.25) H2(-2.75,-0.25) H3(-2.25,-0.25) H5(-1.25,-0.25) H10(1.25,-0.25) H12(2.25,-0.25) H13(2.75,-0.25) H14(3.25,-0.25) J1(-3.25,-0.75) J2(-2.75,-0.75) J3(-2.25,-0.75) J5(-1.25,-0.75) J10(1.25,-0.75) J12(2.25,-0.75) J13(2.75,-0.75) J14(3.25,-0.75) K1(-3.25,-1.25) K2(-2.75,-1.25) K3(-2.25,-1.25) K5(-1.25,-1.25) K6(-0.75,-1.25) K7(-0.25,-1.25) K8(0.25,-1.25) K9(0.75,-1.25) K10(1.25,-1.25) K12(2.25,-1.25) K13(2.75,-1.25) K14(3.25,-1.25) L1(-3.25,-1.75) L2(-2.75,-1.75) L3(-2.25,-1.75) L12(2.25,-1.75) L13(2.75,-1.75) L14(3.25,-1.75) M1(-3.25,-2.25) M2(-2.75,-2.25) M3(-2.25,-2.25) M4(-1.75,-2.25) M5(-1.25,-2.25) M6(-0.75,-2.25) M7(-0.25,-2.25) M8(0.25,-2.25) M9(0.75,-2.25) M10(1.25,-2.25) M11(1.75,-2.25) M12(2.25,-2.25) M13(2.75,-2.25) M14(3.25,-2.25) N1(-3.25,-2.75) N2(-2.75,-2.75) N3(-2.25,-2.75) N4(-1.75,-2.75) N5(-1.25,-2.75) N6(-0.75,-2.75) N7(-0.25,-2.75) N8(0.25,-2.75) N9(0.75,-2.75) N10(1.25,-2.75) N11(1.75,-2.75) N12(2.25,-2.75) N13(2.75,-2.75) N14(3.25,-2.75) P1(-3.25,-3.25) P2(-2.75,-3.25) P3(-2.25,-3.25) P4(-1.75,-3.25) P5(-1.25,-3.25) P6(-0.75,-3.25) P7(-0.25,-3.25) P8(0.25,-3.25) P9(0.75,-3.25) P10(1.25,-3.25) P11(1.75,-3.25) P12(2.25,-3.25) P13(2.75,-3.25) P14(3.25,-3.25)
  silkscreen extent -6.2,-6.5 5.75,7, body extent -5.75,-6.5 5.75,6.5, height 1
FC_135 [mm]
  rrect25% 1x1.8 smd: 1(0,0) 2(2.6,0)
  silkscreen extent -0.9,-1.3 3.5,1.3, body extent -0.3,-0.75 2.9,0.75, height 0.61
H3_FBGA327 [mm]
  round 0.23 smd mask+0.05: A1(0,0) A2(0.65,0) A3(1.3,0) A4(1.95,0) A5(2.6,0) A7(3.9,0) A8(4.55,0) A10(5.85,0) A11(6.5,0) A13(7.8,0) A14(8.45,0) A16(9.75,0) A17(10.4,0) A19(11.7,0) A20(12.35,0) A21(13,0) AA1(0,-13) AA2(0.65,-13) AA3(1.3,-13) AA5(2.6,-13) AA6(3.25,-13) AA8(4.55,-13) AA9(5.2,-13) AA11(6.5,-13) AA12(7.15,-13) AA14(8.45,-13) AA15(9.1,-13) AA17(10.4,-13) AA18(11.05,-13) AA19(11.7,-13) AA20(12.35,-13) AA21(13,-13) B1(0,-0.65) B2(0.65,-0.65) B3(1.3,-0.65) B4(1.95,-0.65) B5(2.6,-0.65) B6(3.25,-0.65) B7(3.9,-0.65) B8(4.55,-0.65) B9(5.2,-0.65) B10(5.85,-0.65) B11(6.5,-0.65) B12(7.15,-0.65) B13(7.8,-0.65) B14(8.45,-0.65) B15(9.1,-0.65) B16(9.75,-0.65) B17(10.4,-0.65) B18(11.05,-0.65) B19(11.7,-0.65) B20(12.35,-0.65) B21(13,-0.65) C1(0,-1.3) C2(0.65,-1.3) C3(1.3,-1.3) C5(2.6,-1.3) C6(3.25,-1.3) C7(3.9,-1.3) C8(4.55,-1.3) C9(5.2,-1.3) C10(5.85,-1.3) C11(6.5,-1.3) C12(7.15,-1.3) C13(7.8,-1.3) C14(8.45,-1.3) C15(9.1,-1.3) C16(9.75,-1.3) C17(10.4,-1.3) C18(11.05,-1.3) C19(11.7,-1.3) C20(12.35,-1.3) C21(13,-1.3) D1(0,-1.95) D2(0.65,-1.95) D3(1.3,-1.95) D5(2.6,-1.95) D6(3.25,-1.95) D8(4.55,-1.95) D10(5.85,-1.95) D11(6.5,-1.95) D13(7.8,-1.95) D15(9.1,-1.95) D17(10.4,-1.95) D19(11.7,-1.95) D20(12.35,-1.95) E2(0.65,-2.6) E3(1.3,-2.6) E8(4.55,-2.6) E10(5.85,-2.6) E11(6.5,-2.6) E13(7.8,-2.6) E14(8.45,-2.6) E15(9.1,-2.6) E16(9.75,-2.6) E18(11.05,-2.6) E19(11.7,-2.6) E20(12.35,-2.6) E21(13,-2.6) F1(0,-3.25) F2(0.65,-3.25) F3(1.3,-3.25) F5(2.6,-3.25) F6(3.25,-3.25) F7(3.9,-3.25) F8(4.55,-3.25) F10(5.85,-3.25) F11(6.5,-3.25) F13(7.8,-3.25) F14(8.45,-3.25) F16(9.75,-3.25) F17(10.4,-3.25) F18(11.05,-3.25) F19(11.7,-3.25) F20(12.35,-3.25) F21(13,-3.25) G1(0,-3.9) G2(0.65,-3.9) G4(1.95,-3.9) G5(2.6,-3.9) G7(3.9,-3.9) G8(4.55,-3.9) G9(5.2,-3.9) G10(5.85,-3.9) G11(6.5,-3.9) G12(7.15,-3.9) G13(7.8,-3.9) G14(8.45,-3.9) G15(9.1,-3.9) G18(11.05,-3.9) G20(12.35,-3.9) H2(0.65,-4.55) H3(1.3,-4.55) H4(1.95,-4.55) H6(3.25,-4.55) H7(3.9,-4.55) H8(4.55,-4.55) H10(5.85,-4.55) H11(6.5,-4.55) H12(7.15,-4.55) H13(7.8,-4.55) H14(8.45,-4.55) H15(9.1,-4.55) H16(9.75,-4.55) H17(10.4,-4.55) H18(11.05,-4.55) H19(11.7,-4.55) H20(12.35,-4.55) H21(13,-4.55) J1(0,-5.2) J2(0.65,-5.2) J3(1.3,-5.2) J6(3.25,-5.2) J7(3.9,-5.2) J8(4.55,-5.2) J9(5.2,-5.2) J10(5.85,-5.2) J11(6.5,-5.2) J12(7.15,-5.2) J13(7.8,-5.2) J14(8.45,-5.2) J15(9.1,-5.2) J16(9.75,-5.2) J19(11.7,-5.2) J20(12.35,-5.2) J21(13,-5.2) K1(0,-5.85) K2(0.65,-5.85) K3(1.3,-5.85) K4(1.95,-5.85) K6(3.25,-5.85) K7(3.9,-5.85) K8(4.55,-5.85) K9(5.2,-5.85) K10(5.85,-5.85) K11(6.5,-5.85) K12(7.15,-5.85) K13(7.8,-5.85) K14(8.45,-5.85) K15(9.1,-5.85) K16(9.75,-5.85) K17(10.4,-5.85) K18(11.05,-5.85) K20(12.35,-5.85) L2(0.65,-6.5) L5(2.6,-6.5) L8(4.55,-6.5) L9(5.2,-6.5) L10(5.85,-6.5) L11(6.5,-6.5) L12(7.15,-6.5) L13(7.8,-6.5) L14(8.45,-6.5) L15(9.1,-6.5) L16(9.75,-6.5) L17(10.4,-6.5) L18(11.05,-6.5) L19(11.7,-6.5) L20(12.35,-6.5) L21(13,-6.5) M1(0,-7.15) M2(0.65,-7.15) M3(1.3,-7.15) M4(1.95,-7.15) M5(2.6,-7.15) M6(3.25,-7.15) M7(3.9,-7.15) M8(4.55,-7.15) M9(5.2,-7.15) M10(5.85,-7.15) M11(6.5,-7.15) M12(7.15,-7.15) M13(7.8,-7.15) M14(8.45,-7.15) M15(9.1,-7.15) M16(9.75,-7.15) M19(11.7,-7.15) M20(12.35,-7.15) M21(13,-7.15) N1(0,-7.8) N2(0.65,-7.8) N3(1.3,-7.8) N7(3.9,-7.8) N8(4.55,-7.8) N9(5.2,-7.8) N10(5.85,-7.8) N11(6.5,-7.8) N12(7.15,-7.8) N13(7.8,-7.8) N14(8.45,-7.8) N15(9.1,-7.8) N16(9.75,-7.8) N17(10.4,-7.8) N19(11.7,-7.8) N20(12.35,-7.8) P2(0.65,-8.45) P3(1.3,-8.45) P6(3.25,-8.45) P7(3.9,-8.45) P8(4.55,-8.45) P9(5.2,-8.45) P10(5.85,-8.45) P11(6.5,-8.45) P12(7.15,-8.45) P13(7.8,-8.45) P14(8.45,-8.45) P15(9.1,-8.45) P16(9.75,-8.45) P17(10.4,-8.45) P19(11.7,-8.45) P20(12.35,-8.45) P21(13,-8.45) R1(0,-9.1) R2(0.65,-9.1) R6(3.25,-9.1) R7(3.9,-9.1) R8(4.55,-9.1) R9(5.2,-9.1) R10(5.85,-9.1) R11(6.5,-9.1) R12(7.15,-9.1) R13(7.8,-9.1) R14(8.45,-9.1) R16(9.75,-9.1) R17(10.4,-9.1) R18(11.05,-9.1) R19(11.7,-9.1) R20(12.35,-9.1) R21(13,-9.1) T2(0.65,-9.75) T3(1.3,-9.75) T4(1.95,-9.75) T5(2.6,-9.75) T6(3.25,-9.75) T7(3.9,-9.75) T8(4.55,-9.75) T9(5.2,-9.75) T10(5.85,-9.75) T11(6.5,-9.75) T12(7.15,-9.75) T13(7.8,-9.75) T14(8.45,-9.75) T15(9.1,-9.75) T16(9.75,-9.75) T17(10.4,-9.75) T18(11.05,-9.75) T20(12.35,-9.75) U2(0.65,-10.4) U3(1.3,-10.4) U4(1.95,-10.4) U6(3.25,-10.4) U9(5.2,-10.4) U11(6.5,-10.4) U15(9.1,-10.4) U16(9.75,-10.4) U18(11.05,-10.4) U19(11.7,-10.4) U20(12.35,-10.4) U21(13,-10.4) V1(0,-11.05) V2(0.65,-11.05) V3(1.3,-11.05) V4(1.95,-11.05) V5(2.6,-11.05) V6(3.25,-11.05) V10(5.85,-11.05) V11(6.5,-11.05) V12(7.15,-11.05) V13(7.8,-11.05) V15(9.1,-11.05) V17(10.4,-11.05) V19(11.7,-11.05) V20(12.35,-11.05) V21(13,-11.05) W1(0,-11.7) W2(0.65,-11.7) W3(1.3,-11.7) W5(2.6,-11.7) W6(3.25,-11.7) W9(5.2,-11.7) W11(6.5,-11.7) W12(7.15,-11.7) W13(7.8,-11.7) W15(9.1,-11.7) W17(10.4,-11.7) W18(11.05,-11.7) W20(12.35,-11.7) W21(13,-11.7) Y1(0,-12.35) Y2(0.65,-12.35) Y3(1.3,-12.35) Y4(1.95,-12.35) Y7(3.9,-12.35) Y8(4.55,-12.35) Y9(5.2,-12.35) Y10(5.85,-12.35) Y11(6.5,-12.35) Y12(7.15,-12.35) Y13(7.8,-12.35) Y14(8.45,-12.35) Y15(9.1,-12.35) Y16(9.75,-12.35) Y17(10.4,-12.35) Y18(11.05,-12.35) Y19(11.7,-12.35) Y20(12.35,-12.35) Y21(13,-12.35)
  silkscreen extent -1.5,-13.67 13.67,1.3, body extent -0.5,-13.5 13.5,0.5, height 0.9
L2520 [mm]
  rrect25% 1.2x2.22 smd: 1(0,0) 2(2.22,0)
  silkscreen extent 0.92,-1.1 1.3,1.1, body extent -0.14,-1 2.36,1, height 1
LED0603_GREEN [mm]
  rrect25% 0.7x0.8 smd: 1(0,0) 2(1.6,0)
  silkscreen extent -0.7,-0.8 2.3,0.8, body extent 0.02,-0.38 1.63,0.43, height 0.61
LED0603_RED [mm]
  rrect25% 0.7x0.8 smd: 1(0,0) 2(1.6,0)
  silkscreen extent -0.7,-0.8 2.3,0.8, body extent 0.02,-0.38 1.63,0.43, height 0.61
LED0603_YELLOW [mm]
  rrect25% 0.7x0.8 smd: 1(0,0) 2(1.6,0)
  silkscreen extent -0.7,-0.8 2.3,0.8, body extent 0.02,-0.38 1.62,0.43, height 0.61
R0402 [mm]
  rrect25% 0.4x0.5 smd: 1(0,0) 2(1.05,0)
  silkscreen extent -0.5,-0.5 1.5,0.5, body extent 0,-0.25 1,0.25, height 0.3
R0603 [mm]
  rrect25% 0.7x0.8 smd: 1(0,0) 2(1.6,0)
  silkscreen extent -0.7,-0.8 2.3,0.8, body extent 0,-0.4 1.6,0.4, height 0.4
SMD3225 [mm]
  rrect50% 1.3x1.1 smd: 1(0,0) 2(2.2,1.8) 3(0,1.8) 3(2.2,0)
  silkscreen extent -0.9,-0.8 3.1,2.6, body extent -0.5,-0.35 2.7,2.15, height 0.7
W25Q64JVSSIQ [mm]
  rrect25% 0.8x0.58 smd: 1(0.1,0) 2(0.1,-1.27) 3(0.1,-2.54) 4(0.1,-3.81) 5(6.9,-3.81) 6(6.9,-2.54) 7(6.9,-1.27) 8(6.9,0)
  silkscreen extent -0.2,-4.59 6.19,1.2, body extent 0.5,-4.4 6.5,0.61, height 0.8
WPM1481 [mm]
  rrect25% 0.35x0.6 smd: 1(0,-1.8) 2(0.65,-1.8) 3(1.3,-1.8) 4(1.3,0) 5(0.65,0) 6(0,0)
  rrect25% 0.35x0.56 smd: 7(1.3,-0.9)
  rrect25% 0.9x0.8 smd: 8(0.25,-0.9)
  silkscreen extent -0.82,-1.9 -0.63,-1.7, body extent -0.38,-1.83 1.73,0, height 0.6